# Altium PCB rev1_no3v3.PcbDoc
Units mil, origin at the board's own origin, x right, y up, seen from the top; angles counter-clockwise.
Board outline 870 x 1440 mil, 2 copper layers (Top Layer, Bottom Layer); 6 components, 9 nets, 35 pads, 0 vias.
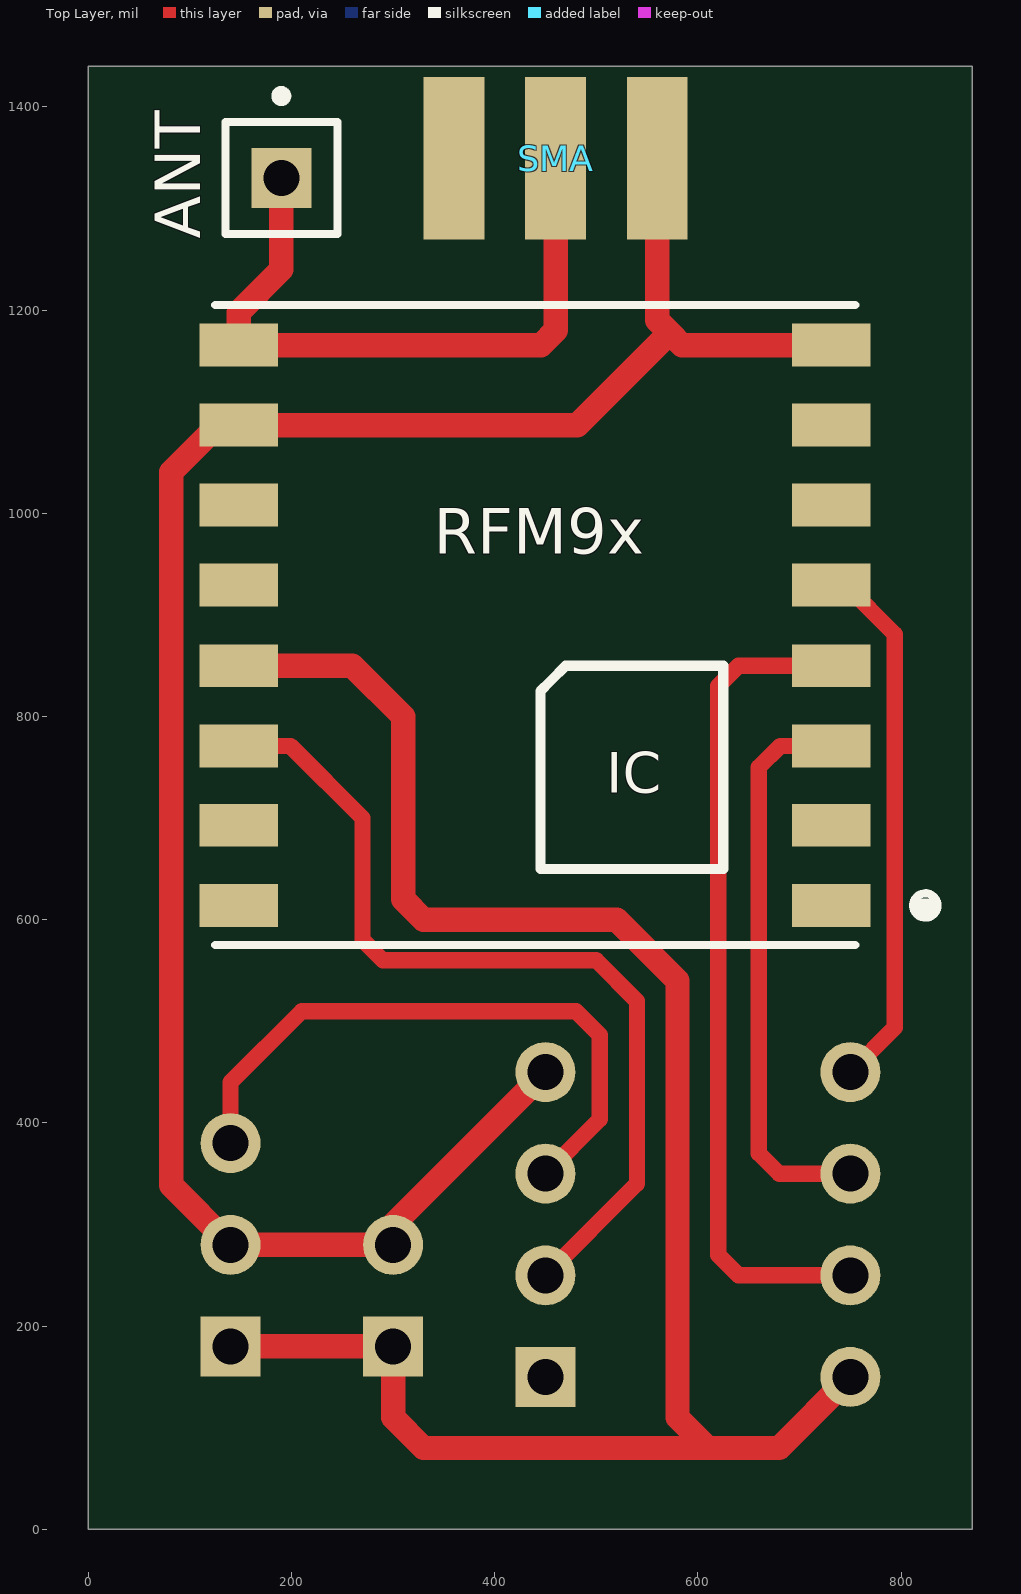
[diagram p0: Top Layer view]
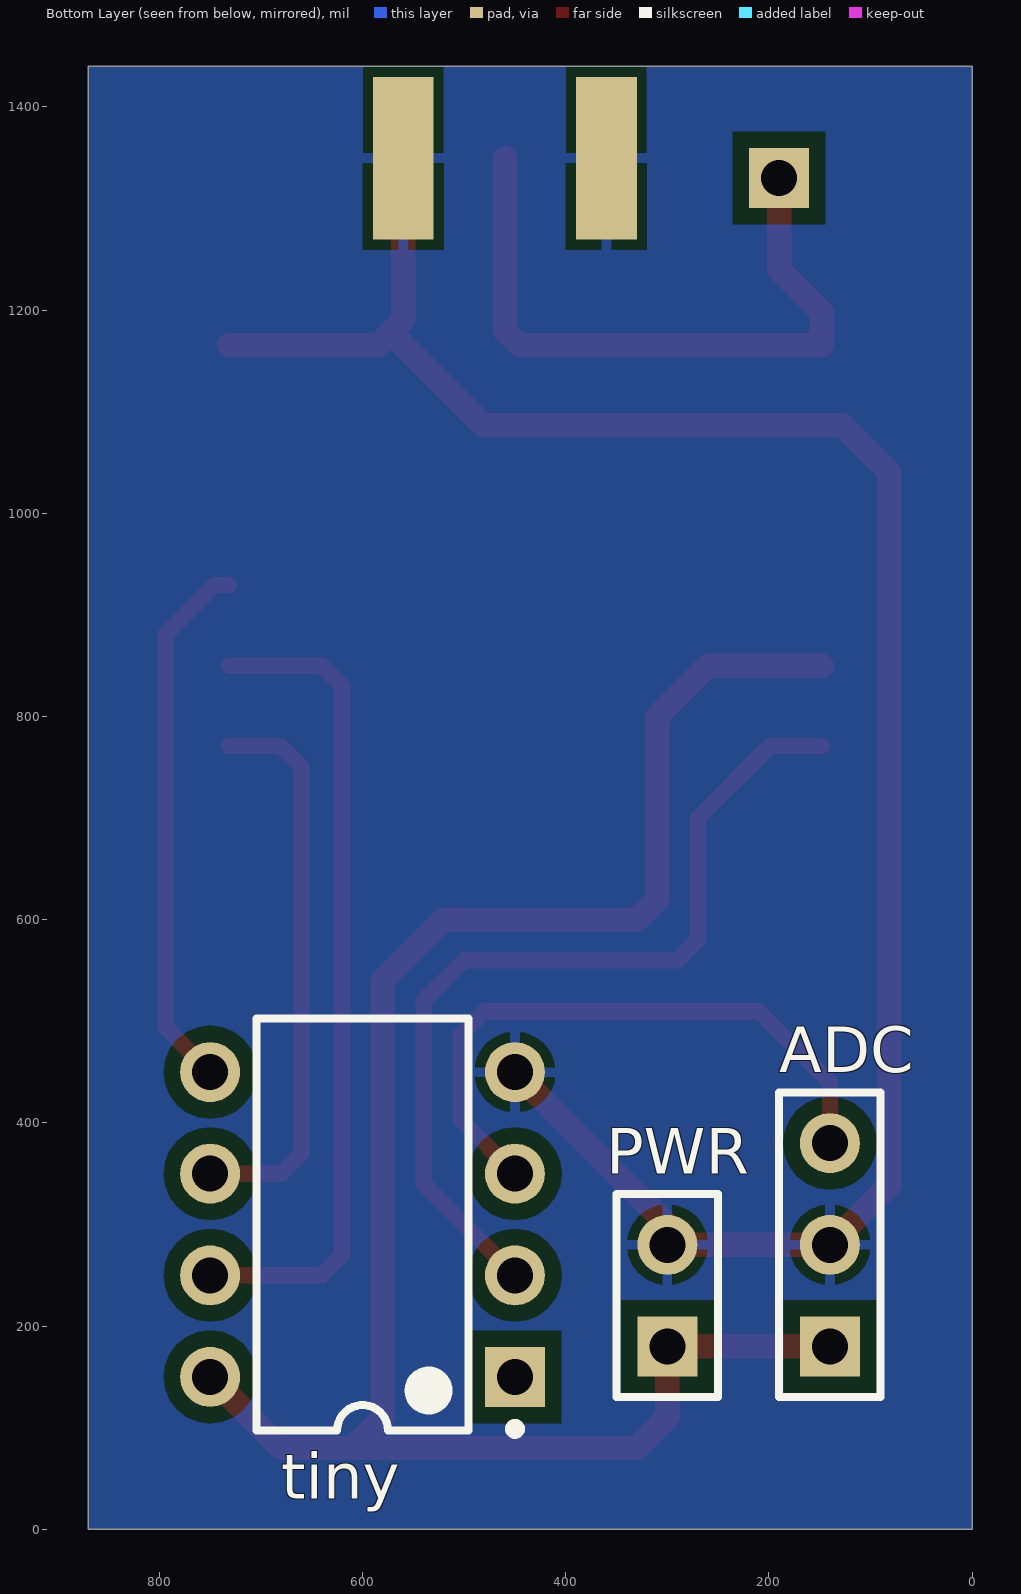
[diagram p1: Bottom Layer view, seen from below]

## Layer stack, top to bottom
Top Solder: solder mask 0.4, Solder Resist, Dk 3.5
Top Layer: signal copper 1.4
Dielectric 1: dielectric 12.6, FR-4, Dk 4.8
Bottom Layer: signal copper 1.4
Bottom Solder: solder mask 0.4, Solder Resist, Dk 3.5

## Board outline
0,0 0,1440 870,1440 870,0

## Design rules (kind name [scope] priority, off if disabled: settings)
Clearance [All] p1: gap=16
PolygonConnect [All] p1: connectstyle=Relief reliefconductorwidth=10 reliefentries=4 polygonreliefangle="90 Angle" airgapwidth=10
RoomDefinition Sheet1 [InComponentClass('Sheet1')] p1: confinementstyle=ConfineIn formatcopy=TRUE lockcomponents=FALSE outline 0,0 870,0 870,1440 0,1440
RoutingLayers [All] p1: top layer_v5=TRUE bottom layer_v5=FALSE
RoutingVias [All] p1: holewidth=28 width=50 viastyle="Through Hole" minholewidth=28 minwidth=50 maxholewidth=28 maxwidth=50
SolderMaskExpansion [All] p1: expansion=4
Width VCC [(InNet('GND') OR InNet('VCC') OR InNet('NetANT_1') OR InNet('NetADC_2'))] p1: maxlimit=24 minlimit=24 preferedwidth=24
Width [All] p2: maxlimit=16 minlimit=16 preferedwidth=16
29 further rules are at their usual default settings.

## Components (designator, comment, footprint, x,y, rotation, side; value= is the part's Value field where it differs from the comment)
ADC "" HDR1X3 140,180 r90 bottom
ANT "" PIN1 190,1330 r0 top
PWR "" HDR1X2 300,180 r90 bottom
RFM9x "" XCVR_RFM95W-868S2 440,890 r180 top
SMA "" "LINX CONREVSMA003.062" 460,1440 r90 top
tiny "ATtiny85-20PU" 8P3 600,300 r0 bottom

## Footprints (in the part's own frame and the unit in brackets; to place one, negate y for a bottom-side part, rotate by r counter-clockwise, add the part's x,y. Pads: shape width x height; smd on the part's side, far side on the other; paste and mask are expansions set on the pad)
8P3 [mm] "DIP, 8-Pin, Row Spacing 7.62 mm, Pitch 2.54 mm"
  rect 1.5x1.5 hole 0.9: 1(-3.81,3.81)
  round 1.5 hole 0.9: 2(-3.81,1.27) 3(-3.81,-1.27) 4(-3.81,-3.81) 5(3.81,-3.81) 6(3.81,-1.27) 7(3.81,1.27) 8(3.81,3.81)
  silkscreen extent -3.93,-5.15 2.65,5.23, body extent -3.6,-5.15 3.6,5.15, height 5.34
HDR1X2 [mm] "Connector; Header; 2 Position"
  rect 1.5x1.5 hole 0.9: 1(0,0)
  round 1.5 hole 0.9: 2(2.54,0)
  silkscreen extent -1.27,-1.27 3.81,1.27
HDR1X3 [mm] "Connector; Header; 3 Position"
  rect 1.5x1.5 hole 0.9: 1(0,0)
  round 1.5 hole 0.9: 2(2.54,0) 3(5.08,0)
  silkscreen extent -1.27,-1.27 6.35,1.27
"LINX CONREVSMA003.062" [mm] "RP-SMA FEMALE EDGE MOUNT FOR 0.062\" THICK BOARD"
  rect 4.06x1.52 smd: G(-2.3,-2.54) G(-2.3,2.54) S(-2.3,0)
  rect 4.06x1.52 smd far side: G(-2.3,-2.54) G(-2.3,2.54)
  body extent -3.9,-3.97 7.86,3.96, height 4.61
PIN1 [mm] "Generic Antenna; 1 Lead"
  rect 1.5x1.5 hole 0.9: 1(0,0)
  silkscreen extent -1.4,-1.4 1.4,2.17
XCVR_RFM95W-868S2 [mil]
  rect 77x42 smd: 1(-291.34,276) 2(-291.34,197) 3(-291.34,119) 4(-291.34,40) 5(-291.34,-39.37) 6(-291.34,-118.11) 7(-291.34,-196.85) 8(-291.34,-275.59) 9(292,-275.59) 10(292,-196.85) 11(292,-118.11) 12(292,-39.37) 13(292,40) 14(292,119) 15(292,197) 16(292,276)
  silkscreen extent -396,-315 315,315, body extent -315,-313 315,313, height 88

## Part data
ADC: library part "Header 3", "Header, 3-Pin"
ANT: library part Antenna, "Generic Antenna"
PWR: library part "Header 2", "Header, 2-Pin"
RFM9x: library part RFM95W-868S2
SMA: library part "RF Connector - SMA"
tiny: "8-bit AVR Microcontroller, 20MHz, 2.7-5.5V, 8K Flash, 512 Bytes EEPROM, 512 Bytes SRAM, Industrial Grade (-40°C to 85°C), 8-Lead PDIP, Pb-Free"

## Nets (pads, with @x,y where several pads share a name; then routed paths per layer and width w, separated by ;. In a path a pad name is that pad's centre, name@x,y a point inside that pad or via, vN(x,y) a via of type N, cw(c..) or ccw(c..) an arc to the next point about the centre after c; other vN are vias at no path point)
GND: ADC.2 PWR.2 RFM9x.8 RFM9x.10 SMA.G tiny.4 | length 2065.5
  Top Layer w24: tiny.4 300,300 PWR.2 ADC.2 81.5,338.5 81.5,1040.71 127.64,1086.85 RFM9x.10 481.26,1086.85 572.21,1177.8 ; SMA.G@560,1349.45 560,1190 572.21,1177.8 ; RFM9x.8 584.41,1165.59 572.21,1177.8
NetADC_3: ADC.3 tiny.3 | length 620.9
  Top Layer w16: ADC.3 140,440 210,510 480,510 503.53,486.47 503.53,403.53 tiny.3
NetANT_1: ANT.1 RFM9x.9 SMA.S | length 669.2
  Top Layer w24: ANT.1 190,1240 148,1198 RFM9x.9 445.59,1165.59 460,1180 SMA.S
NetR1_2: tiny.1
NetRFM9x_3: RFM9x.3 tiny.6 | length 558.3
  Top Layer w16: RFM9x.3 681,771 660,750 660,370 680,350 tiny.6
NetRFM9x_4: RFM9x.4 tiny.7 | length 817.9
  Top Layer w16: RFM9x.4 640,850 620,830 620,270 640,250 tiny.7
NetRFM9x_5: RFM9x.5 tiny.5 | length 531.7
  Top Layer w16: RFM9x.5 745.41,929.37 793.84,880.94 793.84,493.84 tiny.5
NetRFM9x_14: RFM9x.14 tiny.2 | length 873.5
  Top Layer w16: RFM9x.14 199,771 270,700 270,580 290,560 500,560 540,520 540,340 tiny.2
VCC: ADC.1 PWR.1 RFM9x.13 tiny.8 | length 1859.7
  Top Layer w24: ADC.1 PWR.1 300,110 330,80 610,80 ; RFM9x.13 260,850 310,800 310,620 330,600 520,600 580,540 580,110 610,80 ; tiny.8 680,80 610,80
pads on no net: RFM9x.1 RFM9x.2 RFM9x.6 RFM9x.7 RFM9x.11 RFM9x.12 RFM9x.15 RFM9x.16

## Polygon pours and split planes (outlines as drawn)
GND on Mechanical 13 "GND" (solid, remove dead copper): 0,1440 870,1440 870,0 0,0 0,1440
GND on Bottom Layer "GND" (solid, remove dead copper, pour order 9): 0,1440 870,1440 870,0 0,0

## Silkscreen, mask and mechanical layers (free items; w line width, h text height)
Mechanical 1:
  the board outline again, w10

## Text inside footprints (layer, text, board x,y; h text height)
RFM9x: Top Overlay "IC" at 510,725 h40